# Altium PCB STM32F405.PcbDoc (part 1 of 5) (continued)
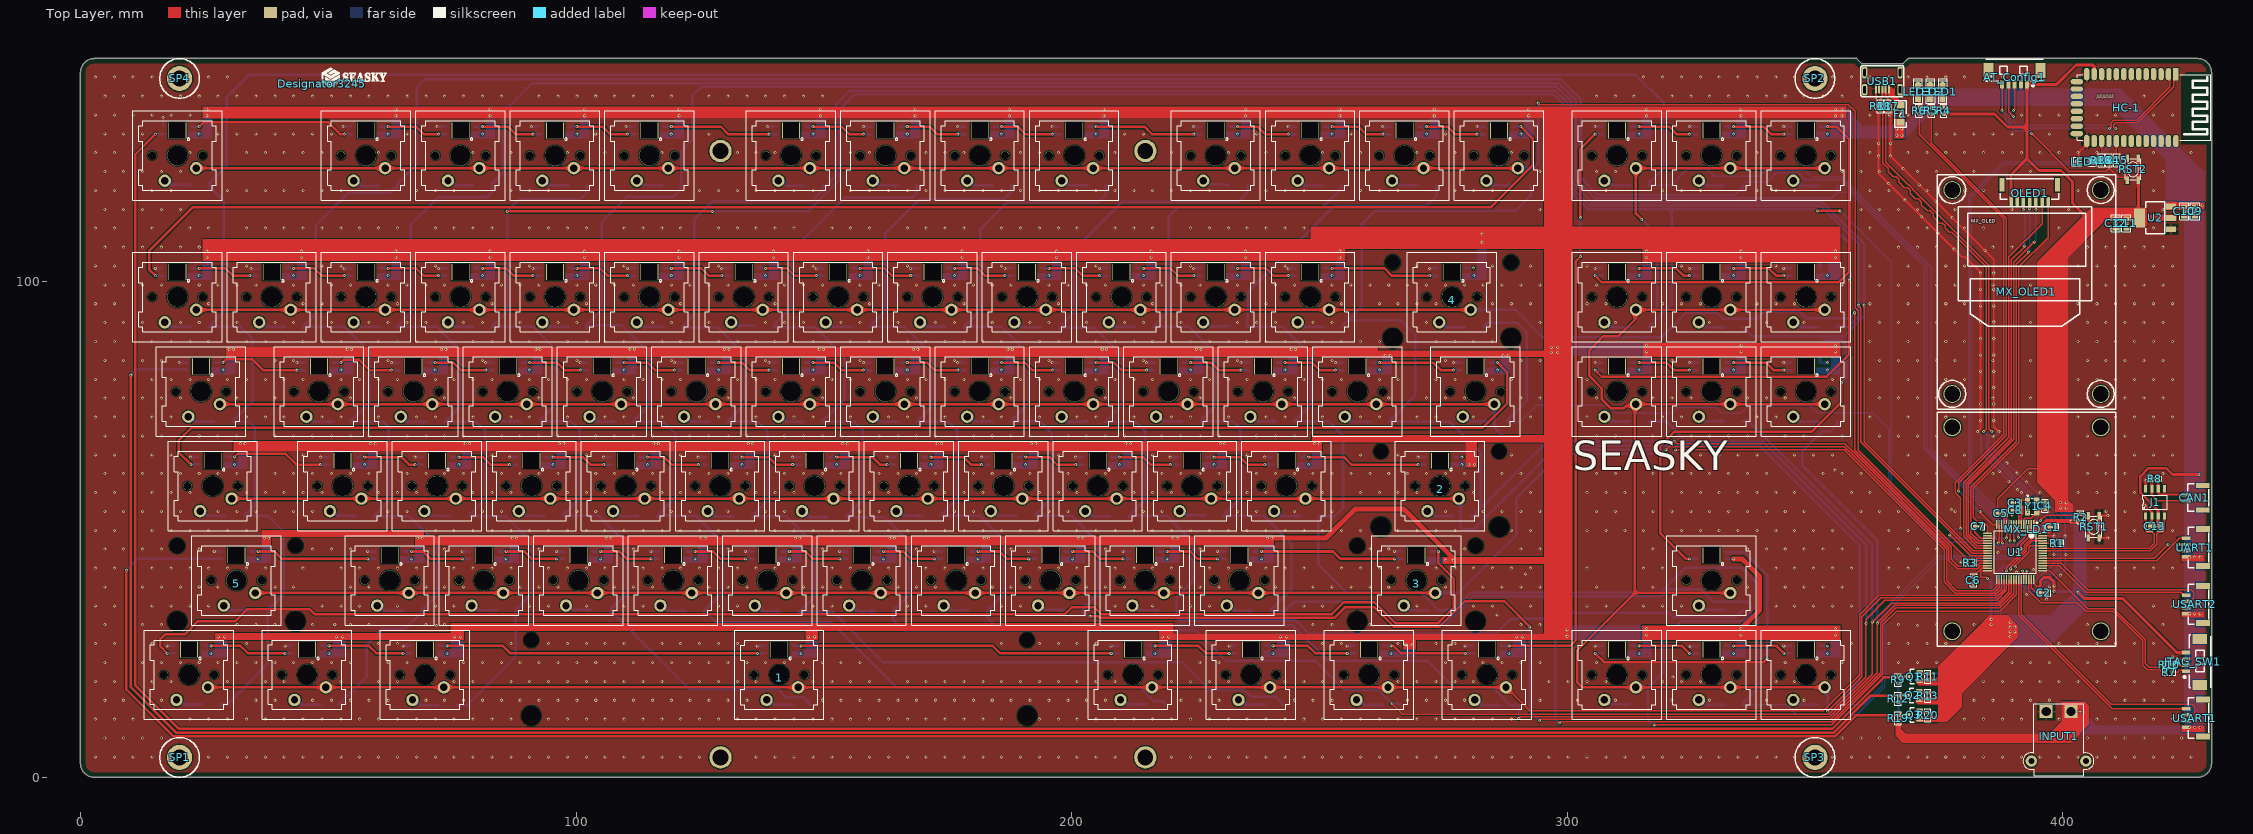
[diagram p0: Top Layer view]
## Components (designator, comment, footprint, x,y, rotation, side; value= is the part's Value field where it differs from the comment) (continued)
UART1 "HDR1x4" GH1.25-立贴-4P 424.931,44.461 r90 top
USART1 "HDR1x4" GH1.25-立贴-4P 424.931,10.073 r90 top
USART2 "HDR1x4" GH1.25-立贴-4P 424.931,32.989 r90 top
USB1 "MF-CON-MICROUSB-RIGHT" MICRO_USB 363.612,143.33 r180 top
Y1 "12MHz" SMD-3225_4P 392.908,55.795 r270 top

## Footprints (in the part's own frame and the unit in brackets; to place one, negate y for a bottom-side part, rotate by r counter-clockwise, add the part's x,y. Pads: shape width x height; smd on the part's side, far side on the other; paste and mask are expansions set on the pad)
1X2 [mil] "stab"
  round 0 hole 120: 0(-470,275) 3(470,275)
  round 0 hole 157: 1(-470,-325) 4(470,-325)
1X6.25 [mil] "stab"
  round 0 hole 120: 0(1970,275) 3(-1970,275)
  round 0 hole 157: 1(1970,-325) 4(-1970,-325)
0603P [mil]
  rect 30x30 smd: 1(-27,0) 2(27.5,-0.06)
  silkscreen extent -50,-20 50,20
"C 0603_L" [mil] "无极性贴片电容                                       淘宝ID:黄晶宝石"
  rect 30x30 smd: 1(-25.59,0) 2(25.59,0)
  silkscreen extent -51,-26 51,26, body extent -31,-16 31,16, height 32
"C 0805_L" [mil] "无极性贴片电容                                        淘宝ID:黄晶宝石"
  rect 35x50 smd: 1(-37.4,0) 2(37.4,0)
  silkscreen extent -67,-36 67,36, body extent -39,-24 39,24, height 20
"FU 1206" [mil] "贴片保险丝"
  rect 50x65 smd: 1(-67.5,0) 2(67.5,0)
  silkscreen extent -105,-45 105,45, body extent -63,-32 63,32, height 34
GH1.25-立贴-2P [mm]
  rect 1x2.8 smd: 0(-1.85,-3.35) 0(3.1,-3.35)
  rect 0.7x1.8 smd: 1(0,0) 2(1.25,0)
  silkscreen extent -2.16,-4.57 3.43,-0.38, body extent -3.19,-4.33 4.46,-0.23, height 4.7
GH1.25-立贴-4P [mm]
  rect 1.2x2.8 smd: 0(-1.85,-3.35) 0(5.6,-3.35)
  rect 0.7x1.8 smd: 1(0,0) 2(1.25,0) 3(2.5,0) 4(3.75,0)
  silkscreen extent -2.16,-4.57 5.97,-0.38, body extent -3.23,-4.08 6.92,0.02, height 4.7
GH1.25-立贴-7P [mm]
  rect 1x2.8 smd: 0(-1.85,-3.35) 0(9.35,-3.35)
  rect 0.7x1.8 smd: 1(0,0) 2(1.25,0) 3(2.5,0) 4(3.75,0) 5(5,0) 6(6.25,0) 7(7.5,0)
  silkscreen extent -2.16,-4.57 9.65,-0.38, body extent -3.2,-4.14 10.7,-0.04, height 4.7
HC-05 [mm] "串口蓝牙模块"
  rect 2.5x1.1 smd: 1(-6.75,6.403)
  oval 2.5x1.1 smd: 2(-6.75,4.903) 3(-6.75,3.403) 4(-6.75,1.903) 5(-6.75,0.403) 6(-6.75,-1.097) 7(-6.75,-2.597) 8(-6.75,-4.097) 9(-6.75,-5.597) 10(-6.75,-7.097) 11(-6.75,-8.597) 12(-6.75,-10.097) 13(-6.75,-11.597) 22(6.75,-11.597) 23(6.75,-10.097) 24(6.75,-8.597) 25(6.75,-7.097) 26(6.75,-5.597) 27(6.75,-4.097) 28(6.75,-2.597) 29(6.75,-1.097) 30(6.75,0.403) 31(6.75,1.903) 32(6.75,3.403) 33(6.75,4.903) 34(6.75,6.403)
  oval 1.1x2.5 smd: 14(-5.25,-13.597) 15(-3.75,-13.597) 16(-2.25,-13.597) 17(-0.75,-13.597) 18(0.75,-13.597) 19(2.25,-13.597) 20(3.75,-13.597) 21(5.25,-13.597)
  silkscreen extent -6.65,-13.49 6.64,13.46, body extent -6.52,-13.37 6.52,13.35, height 2.46
LD3320 [mm]
  round 3.6 hole 3.2 unplated: 0(3.099,3.023) 0(3.099,44.171) 0(33.071,3.023) 0(33.071,44.171)
  silkscreen extent 0.05,-0.03 36.12,47.22, body extent 0.05,-0.02 36.12,48.53, height 10.52
"LED 0805G" [mil] "绿色0805LED                              淘宝ID:黄晶宝石"
  rect 60x50 smd: 1(-50,0)
  oct 60x50 smd: 2(50,0)
  silkscreen extent -90,-35 105,35, body extent -39,-25 39,25, height 26
"LED 0805R" [mil] "红色0805LED                                       淘宝ID:黄晶宝石"
  rect 60x50 smd: 1(-50,0)
  oct 60x50 smd: 2(50,0)
  silkscreen extent -90,-35 105,35, body extent -39,-25 39,25, height 32
LL-34_L3.7-W1.6-RD [mil]
  rect 44x67 smd: 1(73,0) 2(-73,0)
  silkscreen extent -39,-27 41,28, body extent -68,-29 78,34, height 63
LQFP-64_10X10X05P [mm]
  oval 1.796x0.28 smd: 1(-5.55,3.75) 2(-5.55,3.25) 3(-5.55,2.75) 4(-5.55,2.25) 5(-5.55,1.75) 6(-5.55,1.25) 7(-5.55,0.75) 8(-5.55,0.25) 9(-5.55,-0.25) 10(-5.55,-0.75) 11(-5.55,-1.25) 12(-5.55,-1.75) 13(-5.55,-2.25) 14(-5.55,-2.75) 15(-5.55,-3.25) 16(-5.55,-3.75) 33(5.55,-3.75) 34(5.55,-3.25) 35(5.55,-2.75) 36(5.55,-2.25) 37(5.55,-1.75) 38(5.55,-1.25) 39(5.55,-0.75) 40(5.55,-0.25) 41(5.55,0.25) 42(5.55,0.75) 43(5.55,1.25) 44(5.55,1.75) 45(5.55,2.25) 46(5.55,2.75) 47(5.55,3.25) 48(5.55,3.75)
  oval 0.28x1.796 smd: 17(-3.75,-5.55) 18(-3.25,-5.55) 19(-2.75,-5.55) 20(-2.25,-5.55) 21(-1.75,-5.55) 22(-1.25,-5.55) 23(-0.75,-5.55) 24(-0.25,-5.55) 25(0.25,-5.55) 26(0.75,-5.55) 27(1.25,-5.55) 28(1.75,-5.55) 29(2.25,-5.55) 30(2.75,-5.55) 31(3.25,-5.55) 32(3.75,-5.55) 49(3.75,5.55) 50(3.25,5.55) 51(2.75,5.55) 52(2.25,5.55) 53(1.75,5.55) 54(1.25,5.55) 55(0.75,5.55) 56(0.25,5.55) 57(-0.25,5.55) 58(-0.75,5.55) 59(-1.25,5.55) 60(-1.75,5.55) 61(-2.25,5.55) 62(-2.75,5.55) 63(-3.25,5.55) 64(-3.75,5.55)
  silkscreen extent -6.05,-4.25 4.25,4.55, body extent -5.89,-5.89 5.89,5.89, height 1.55
M3x4+6_L [mm] "M3铜柱，长：4mm，螺纹长：6mm"
  round 5.08 hole 3.175: 1(0,0)
  silkscreen extent -4,-4 4,4, body extent -2.7,-2.35 2.7,2.35, height 4.05
MICRO_USB [mm]
  rrect50% 1.05x2.3 hole 0.5 slot 1.5 at 90 deg: 0(-3.575,4.6) 0(-3.575,1.15) 0(3.575,4.6) 0(3.575,1.15)
  round 0.65 hole 0.65 unplated: 0(-2,3.475) 0(2,3.475)
  oct 0.4x1.85 smd: 1(-1.3,4.434) 2(-0.65,4.434) 3(0,4.434) 4(0.65,4.434) 5(1.3,4.434)
  silkscreen extent -4.34,-0.23 4.38,6.01, body extent -3.96,-1.62 4.01,5.08, height 2.79
"MX 1.25-WS-4P" [mm] "长：10.15mm，宽：4.2mm，高：3.4mm"
  rect 2x3 smd: 0(-4.632,0) 0(4.632,0)
  rect 0.8x1.6 smd: 1(-1.889,2.811) 2(-0.639,2.811) 3(0.611,2.811) 4(1.861,2.811)
  silkscreen extent -5.23,-2.23 5.45,3.25, body extent -5.07,-2.1 5.07,3.09, height 3.4
"MX 1.25-WS-5P" [mm] "长：11.4mm，宽：4.2mm，高：3.4mm"
  rect 2x3 smd: 0(-5.257,0) 0(5.257,0)
  rect 0.8x1.6 smd: 1(-2.514,2.811) 2(-1.264,2.811) 3(-0.014,2.811) 4(1.236,2.811) 5(2.486,2.811)
  silkscreen extent -5.86,-2.23 5.83,3.25, body extent -5.7,-2.1 5.7,3.09, height 3.4
MX_BACKSPACE [mm]
  round 2.5 hole 1.5: 1(3.81,-2.54) 2(-2.54,-5.08)
  rect 1.7x0.9 smd far side: 3(2.85,4.33) 4(2.85,5.83) 6(-2.85,4.33)
  oct 1.8x0.9 smd far side: 5(-2.9,5.83)
  round 1.702 hole 1.702: ""(-5.08,0) ""(5.08,0)
  round 4.064 hole 4.064: ""(0,0)
  rect 3.6x3.2 hole 3.2 square: ""(0,5.08)
  silkscreen extent -9.02,-9.02 9.02,9.02, body extent -18.53,-9 18.53,9, height 23.11
MX_CAPSLOCK [mm]
  round 2.5 hole 1.5: 1(3.796,-2.538) 2(-2.554,-5.078)
  rect 1.7x0.9 smd far side: 3(2.836,4.332) 4(2.836,5.832) 6(-2.864,4.332)
  oct 1.8x0.9 smd far side: 5(-2.914,5.832)
  round 1.702 hole 1.702: ""(-5.094,0.002) ""(5.066,0.002)
  round 4.064 hole 4.064: ""(-0.014,0.002)
  rect 3.6x3.2 hole 3.2 square: ""(-0.014,5.082)
  silkscreen extent -9.03,-9.02 9,9.02, body extent -16.14,-9 16.12,9, height 23.11
MX_CTRL(WIN)(ALT) [mm]
  round 2.5 hole 1.5: 1(3.789,-2.526) 2(-2.561,-5.066)
  rect 1.7x0.9 smd far side: 3(2.829,4.344) 4(2.829,5.844) 6(-2.871,4.344)
  oct 1.8x0.9 smd far side: 5(-2.921,5.844)
  round 1.702 hole 1.702: ""(-5.101,0.014) ""(5.059,0.014)
  round 4.064 hole 4.064: ""(-0.021,0.014)
  rect 3.6x3.2 hole 3.2 square: ""(-0.021,5.094)
  silkscreen extent -9.04,-9 9,9.03, body extent -11.38,-8.99 11.34,9.01, height 22.5
MX_OLED_STEP [mm]
  round 3.6 hole 3.2 unplated: 0(0,0) 0(0,41.148) 0(29.972,0) 0(29.972,41.148)
  silkscreen extent -3.05,-3.05 33.02,44.2, body extent -3.05,-3.05 33.02,44.2, height 14.55
MX_SW-7 [mm] "with Fixation pins  1-Pole w/Diode"
  round 2.5 hole 1.5: 1(3.81,-2.54) 2(-2.54,-5.08)
  rect 1.7x0.9 smd far side: 3(2.85,4.33) 4(2.85,5.83) 6(-2.85,4.33)
  oct 1.8x0.9 smd far side: 5(-2.9,5.83)
  round 1.702 hole 1.702: ""(-5.08,0) ""(5.08,0)
  round 4.064 hole 4.064: ""(0,0)
  rect 3.6x3.2 hole 3.2 square: ""(0,5.08)
  silkscreen extent -9.02,-9.02 9.02,9.02, body extent -9,-9 9,9, height 22.5
MX_TAB [mm]
  round 2.5 hole 1.5: 1(3.81,-2.54) 2(-2.54,-5.08)
  rect 1.7x0.9 smd far side: 3(2.85,4.33) 4(2.85,5.83) 6(-2.85,4.33)
  oct 1.8x0.9 smd far side: 5(-2.9,5.83)
  round 1.702 hole 1.702: ""(-5.08,0) ""(5.08,0)
  round 4.064 hole 4.064: ""(0,0)
  rect 3.6x3.2 hole 3.2 square: ""(0,5.08)
  silkscreen extent -9.02,-9.02 9.02,9.02, body extent -13.76,-9 13.76,9, height 23.11
MX_右SHIFT [mm]
  round 2.5 hole 1.5: 1(3.81,-2.54) 2(-2.54,-5.08)
  rect 1.7x0.9 smd far side: 3(2.85,4.33) 4(2.85,5.83) 6(-2.85,4.33)
  oct 1.8x0.9 smd far side: 5(-2.9,5.83)
  round 1.702 hole 1.702: ""(-5.08,0) ""(5.08,0)
  round 4.064 hole 4.064: ""(0,0)
  rect 3.6x3.2 hole 3.2 square: ""(0,5.08)
  silkscreen extent -9.02,-9.02 9.02,9.02, body extent -25.67,-9 25.67,9, height 23.11
MX_左SHIFT(ENTER) [mm]
  round 2.5 hole 1.5: 1(3.81,-2.54) 2(-2.54,-5.08)
  rect 1.7x0.9 smd far side: 3(2.85,4.33) 4(2.85,5.83) 6(-2.85,4.33)
  oct 1.8x0.9 smd far side: 5(-2.9,5.83)
  round 1.702 hole 1.702: ""(-5.08,0) ""(5.08,0)
  round 4.064 hole 4.064: ""(0,0)
  rect 3.6x3.2 hole 3.2 square: ""(0,5.08)
  silkscreen extent -9.02,-9.02 9.02,9.02, body extent -20.91,-9 20.91,9, height 23.11
MX_空格 [mm]
  round 2.5 hole 1.5: 1(3.81,-2.54) 2(-2.54,-5.08)
  rect 1.7x0.9 smd far side: 3(2.85,4.33) 4(2.85,5.83) 6(-2.85,4.33)
  oct 1.8x0.9 smd far side: 5(-2.9,5.83)
  round 1.702 hole 1.702: ""(-5.08,0) ""(5.08,0)
  round 4.064 hole 4.064: ""(0,0)
  rect 3.6x3.2 hole 3.2 square: ""(0,5.08)
  silkscreen extent -9.02,-9.02 9.02,9.02, body extent -59,-9 59,9, height 23.11
"R 0603_L" [mil] "1/10W贴片电阻                 淘宝ID:黄晶宝石"
  rect 30x30 smd: 1(-25.59,0) 2(25.59,0)
  silkscreen extent -51,-26 51,26, body extent -31,-16 32,16, height 16
SEASKY1 [mm]
  silkscreen extent 0,-0.58 13.16,3.2
SMD-3.2*4.2 [mm]
  rect 1.5x0.7 smd: 1(-2.25,1.125) 1(2.25,1.125) 2(-2.25,-1.125) 2(2.25,-1.125)
  silkscreen extent -2.1,-1.6 2.1,1.6, body extent -2.73,-1.6 2.47,1.58, height 1.8
SMD-3225_4P [mm]
  rect 1.3x1.05 smd: 1(0,0) 2(2.3,0) 3(2.3,1.85) 4(0,1.85)
  silkscreen extent -1.14,-0.33 2.74,2.17, body extent -0.46,-0.36 2.74,2.14, height 0.7
SOIC-8_150MIL [mm]
  rect 1.473x0.65 smd: 1(0,0) 2(0,-1.27) 3(0,-2.54) 4(0,-3.81) 5(5.5,-3.81) 6(5.5,-2.54) 7(5.5,-1.27) 8(5.5,0)
  silkscreen extent 1.35,-4.34 4.2,0.58, body extent -0.3,-4.34 5.7,0.56, height 1.7
SOT-23-3_L2.9-W1.3-P1.90-LS2.4-BR [mm]
  rect 1.25x0.7 smd: 1(1.25,-0.95) 2(1.25,0.95) 3(-1.25,0)
  silkscreen extent -0.65,-1.46 0.9,1.46, body extent -0.97,-1.5 1.43,1.5, height 1.05
SOT-223 [mm]
  rect 2x1.2 smd: 1(3.175,-2.3) 2(3.175,0) 3(3.175,2.3)
  rect 2.3x3.8 smd: 4(-3.175,0)
  silkscreen extent -1.87,-3.2 1.93,3.2, body extent -3.3,-3.3 3.66,3.2, height 1.66
XT30PW-M [mm]
  round 2.3 hole 1.2: 0(-5.5,-5) 0(5.5,-5)
  rect 2.6x2.6 hole 1.9: 1(-2.5,5) 2(2.5,5)
  silkscreen extent -7.18,-7.95 7.14,6.52, body extent -6.67,-7.95 6.63,6, height 5

## Part data
AT_Config1: library part "Header 5", "5P接插件"
C1 C2 C3 C4 C5 C6 C7 C8 C9 C10 C11 C12 C13: library part C, "贴片电容"
CAN1 OLED1 UART1 USART1 USART2: "Connector"
F1: library part FU, "贴片保险丝"
HC-1: library part HC-05, "串口蓝牙模块"
J1: "CANоƬ"
JTAG_SW1: library part "Header 4", "4P接插件"
LED1 LED2 LED3 LED4: library part LED-SMD, "贴片LED"
R1 R2 R3 R4 R5 R6 R7 R9 R10 R11 R12 R13 R14 R15 R16 R17 R18 R19 R20: library part R, "贴片电阻"
R8: library part RES, "Resistance"
RST1 RST2: library part KEY_M
SP1 SP2 SP3 SP4: library part 铜柱加头小焊盘, "铜柱"
SW1 SW2 SW3 SW4 SW5 SW6 SW7 SW8 SW9 SW10 SW11 SW12 SW13 SW14 SW15 SW16 SW17 SW18 SW19 SW20 SW21 SW22 SW23 SW24 SW25 SW26 SW27 SW28 SW29 SW30 SW31 SW32 SW33 SW34 SW35 SW36 SW37 SW38 SW39 SW40 SW41 SW42 SW43 SW44 SW45 SW46 SW47 SW48 SW49 SW50 SW51 SW52 SW53 SW54 SW55 SW56 SW57 SW58 SW59 SW60 SW61 SW62 SW63 SW64 SW65 SW66 SW67 SW68 SW69 SW70 SW71 SW72 SW73 SW74 SW75 SW76 SW77 SW78 SW79 SW80 SW81 SW82 SW83 SW84 SW85 SW86 SW87: library part MX_SW-7, "with Fixation pins  1-Pole w/Diode"
USB1: library part USB_MICRO_RIGHT, "Library:  MF_Connectors Description: 5 Pin USB Connectors. SLD is the shield connection. Usually tied to ground through a small ferrite bead.", 5V=5V, D+=D+, D-=D-, GND=GND, ID=ID, SHIELD=SHIELD, USBPORT="USB PORT"
Y1: library part XTAL_3225, "3225贴片无源晶振"

## Free pads (board coordinates)
  round 4.5 hole 3.175: ""(129.159,4) ""(129.159,126.365) ""(214.884,4) ""(214.884,126.365)

## Via types
v1: diameter 0.61, hole 0.305, Top Layer to Bottom Layer, tented both sides, 2611 vias

## Nets (pads, with @x,y where several pads share a name; then routed paths per layer and width w, separated by ;. In a path a pad name is that pad's centre, name@x,y a point inside that pad or via, vN(x,y) a via of type N, cw(c..) or ccw(c..) an arc to the next point about the centre after c; other vN are vias at no path point)
BUTTON_AD(PA3): OLED1.1 U1.17 | length 75.1
  Top Layer w0.254: U1.17@384.848,49.194 384.848,50.631 383.79,51.689 382.721,51.689 381.959,52.451 381.959,58.315 391.16,67.517 391.16,102.997 397.069,108.906 OLED1.1@397.069,116.205
CAN2_RX(PB5): J1.4 U1.57 | length 30.3
  Top Layer w0.254: U1.57@395.948,45.694 417.677,45.694 418.948,46.965 418.948,48.997 419.354,49.403 419.936,49.403 420.502,49.969 420.502,52.694 J1.4@420.525,52.717
CAN2_TX(PB6): J1.1 U1.58 | length 29.7
  Top Layer w0.254: U1.58@395.948,46.194 395.952,46.19 417.411,46.19 418.465,47.244 418.465,49.022 418.084,49.403 417.195,49.403 416.715,49.883 J1.1@416.715,52.717
CAN_H: CAN1.1 J1.7 R8.2 | length 10.7
  Top Layer w0.381: R8.2@417.894,60.2 417.939,60.154 417.939,58.263 J1.7@417.985,58.217 417.985,56.917 418.063,56.917 419.194,55.786 CAN1.1@424.891,55.786
CAN_L: CAN1.2 J1.6 R8.1 | length 8.6
  Top Layer w0.381: R8.1@419.278,60.198 419.267,60.187 419.267,58.228 J1.6@419.255,58.217 419.255,57.404 419.623,57.036 CAN1.2@424.891,57.036
DIN1_1: SW13.4 SW14.6 | length 303.8
  Top Layer w0.508: v1(15.139,101.199) 13.843,102.495 13.843,106.172 22.733,115.062 284.666,115.062 293.033,123.428 293.033,128.901 v1(290.659,131.275)
  Bottom Layer w0.508: v1(15.139,101.199) SW14.6@16.699,101.199 ; SW13.4@289.099,131.275 v1(290.659,131.275)
DIN2_1: SW41.4 SW42.6 | length 289.2
  Top Layer w0.508: v1(22.261,63.128) 19.812,65.577 19.812,67.945 22.352,70.485 282.953,70.485 287.9,75.433 287.9,81.646 v1(285.897,83.649)
  Bottom Layer w0.508: v1(22.261,63.128) SW42.6@23.822,63.128 ; SW41.4@284.337,83.649 v1(285.897,83.649)
DIN3_1: SW66.4 SW67.6 | length 288.2
  Top Layer w0.508: v1(17.499,25.013) 16.129,26.383 16.129,27.89 17.068,28.829 21.082,28.829 23.749,31.496 31.242,31.496 33.687,33.941 46.196,33.941 47.23,32.907 198.642,32.907 200.025,34.29 204.597,34.29 205.98,32.907 252.49,32.907 254.889,35.306 261.112,35.306 265.303,31.115 273.976,31.115 277.114,34.253 277.114,40.085 273.99,43.208 v1(273.99,45.549)
  Bottom Layer w0.508: v1(17.499,25.013) SW67.6@19.059,25.013 ; SW66.4@272.43,45.549 v1(273.99,45.549)
DIN3_2: SW74.4 SW75.6 | length 120.8
  Top Layer w0.508: v1(288.257,26.513) 300.627,26.513 301.752,27.639 301.752,104.14 v1(302.641,105.029) ; v1(302.641,112.903) 302.641,126.764 v1(305.652,129.775)
  Bottom Layer w0.508: SW74.4@286.697,26.513 v1(288.257,26.513) ; v1(302.641,105.029) v1(302.641,112.903) ; v1(305.652,129.775) SW75.6@307.212,129.775
DIN_3V3_1(PB7): Q1.2 R11.2 U1.59 | length 45.2
  Top Layer w0.254: v1(390.43,42.418) 390.43,42.691 393.167,45.428 393.167,46.282 393.578,46.694 U1.59@395.948,46.694
  Top Layer w0.508: Q1.2@371.157,21.27 371.432,21.27 371.796,20.906 R11.2@372.757,20.906 374.066,20.906 v1(374.11,20.95)
  Bottom Layer w0.254: v1(374.11,20.95) 380.995,20.95 386.512,26.467 386.512,41.164 388.147,42.799 389.953,42.799 390.334,42.418 v1(390.43,42.418)
DIN_3V3_2(PB8): Q2.2 R13.2 U1.61 | length 47.4
  Top Layer w0.254: v1(389.509,42.037) 389.509,42.453 392.684,45.628 392.684,46.482 393.895,47.693 U1.61@395.948,47.693
  Top Layer w0.508: Q2.2@371.03,17.46 371.305,17.46 371.669,17.096 R13.2@372.757,17.096 374.064,17.096 v1(374.069,17.091)
  Bottom Layer w0.254: v1(374.069,17.091) 377.978,17.091 386.994,26.108 386.994,40.964 388.346,42.316 389.133,42.316 389.413,42.037 v1(389.509,42.037)
DIN_3V3_3(PB9): Q3.2 R20.2 U1.62 | length 48.9
  Top Layer w0.254: v1(388.62,41.656) 388.62,42.246 392.201,45.827 392.201,46.682 393.713,48.194 U1.62@395.948,48.194
  Top Layer w0.508: Q3.2@371.157,13.523 371.432,13.523 371.796,13.159 R20.2@372.757,13.159 372.786,13.189 373.742,13.189 v1(373.761,13.208)
  Bottom Layer w0.254: v1(373.761,13.208) 374.777,13.208 387.477,25.908 387.477,40.513 v1(388.62,41.656)
DIN_5V0_1: Q1.3 R9.2 SW1.6 | length 480.1
  Top Layer w0.508: v1(15.139,129.775) 11.076,125.712 11.076,18.515 19.837,9.754 353.497,9.754 363.887,20.144 366.661,20.144 R9.2@366.788,20.271 366.812,20.296 368.633,20.296 Q1.3@368.657,20.32
  Bottom Layer w0.508: v1(15.139,129.775) SW1.6@16.699,129.775
DIN_5V0_2: Q2.3 R12.2 SW28.6 | length 440.1
  Top Layer w0.508: v1(10.16,81.153) 10.16,80.645 10.16,18.161 19.304,9.017 353.802,9.017 361.246,16.461 R12.2@366.788,16.461 366.812,16.486 368.506,16.486 Q2.3@368.53,16.51
  Bottom Layer w0.508: v1(10.16,81.153) 11.303,82.296 21.315,82.296 SW28.6@21.462,82.149
DIN_5V0_3: Q3.3 R19.2 SW55.6 | length 409.4
  Top Layer w0.508: v1(9.271,41.783) 9.271,17.653 18.644,8.28 354.107,8.28 358.35,12.524 R19.2@366.788,12.524 366.812,12.549 368.633,12.549 Q3.3@368.657,12.573
  Bottom Layer w0.508: v1(9.271,41.783) 11.537,44.049 SW55.6@28.605,44.049
HC_KEY: AT_Config1.5 R14.1 RST2.2 | length 43
  Top Layer w0.254: v1(387.731,134.493) 387.785,134.547 AT_Config1.5@387.785,139.81 ; v1(393.7,129.921) 401.32,122.301 408.775,122.301 409.366,122.891 ; R14.1@409.366,123.81 409.366,122.891 ; RST2.2@413.022,120.432 RST2.2@413.022,120.832 ; RST2.2@413.022,124.932 RST2.2@413.022,120.832 ; 409.366,122.891 411.202,121.055 412.799,121.055 RST2.2@413.022,120.832
  Bottom Layer w0.254: v1(387.731,134.493) 388.493,133.731 388.493,132.287 390.325,130.454 393.167,130.454 v1(393.7,129.921)
HC_RX: AT_Config1.3 HC-1.2 U1.14 | length 165.8
  Top Layer w0.254: U1.14@387.648,50.993 387.653,50.989 387.653,47.513 v1(387.858,47.307) ; v1(390.017,134.495) 390.285,134.762 AT_Config1.3@390.285,139.81 ; v1(409.448,130.937) 409.575,130.937 409.829,131.191 409.829,132.08 410.337,132.588 414.909,132.588 421.64,139.319 421.64,141.574 HC-1.2@421.336,141.878
  Bottom Layer w0.254: v1(387.858,47.307) 388.201,46.965 390.586,46.965 391.693,48.072 391.693,48.695 381,59.389 381,117.094 388.087,124.181 406.121,124.181 409.829,127.889 409.829,130.46 409.448,130.841 v1(409.448,130.937) 390.525,130.937 389.255,132.207 389.255,133.733 v1(390.017,134.495)
HC_TX: AT_Config1.4 HC-1.1 U1.15 | length 168.2
  Top Layer w0.254: v1(386.969,47.244) 387.148,47.423 U1.15@387.148,50.993 ; AT_Config1.4@389.035,139.81 389.128,139.717 389.128,134.239 v1(390.017,133.35) ; v1(410.718,130.937) 410.591,130.937 410.337,131.191 410.337,131.674 410.743,132.08 415.163,132.08 422.402,139.319 422.402,141.444 HC-1.1@422.836,141.878
  Bottom Layer w0.254: v1(386.969,47.244) 387.731,46.482 390.785,46.482 392.176,47.873 392.176,48.895 381.508,59.563 381.508,68.117 381.508,116.919 388.286,123.698 406.32,123.698 410.312,127.689 410.312,130.434 410.718,130.841 v1(410.718,130.937) 410.058,131.597 390.754,131.597 390.017,132.334 v1(390.017,133.35)
KEY_POS1: D*1.2 D*14.2 D*28.2 D*42.2 D*55.2 D*67.2 D*75.2 U1.8 | length 597.1
  Top Layer w0.254: U1.8@390.648,50.993 390.648,49.661 391.033,49.276 v1(391.033,48.346)
  Bottom Layer w0.254: D*75.2@316.391,119.465 320.992,119.465 324.231,122.704 328.4,122.704 329.805,121.299 338.85,121.299 340.004,122.453 347.992,122.453 349.41,121.036 355.436,121.036 373.431,103.041 373.431,66.243 389.423,50.251 389.423,50.231 389.706,49.948 389.706,49.886 391.033,48.559 v1(391.033,48.346)
  Bottom Layer w0.508: D*67.2@28.257,14.673 28.323,14.739 29.725,14.739 37.778,22.792 D*55.2@37.778,33.669 41.021,36.912 41.021,49.53 37.836,52.715 D*42.2@33.024,52.715 35.179,54.871 35.179,70.612 34.033,71.758 D*28.2@30.663,71.758 34.798,75.893 34.798,88.392 32.313,90.877 D*14.2@25.909,90.877 28.956,93.923 28.956,116.268 D*1.2@25.835,119.389 25.835,119.681 29.464,123.31 29.464,137.16 34.036,141.732 313.817,141.732 319.532,136.017 319.532,122.898 316.391,119.757 D*75.2@316.391,119.465
KEY_POS2: D*2.2 D*15.2 D*29.2 D*43.2 D*56.2 D*68.2 D*76.2 U1.9 | length 581.4
  Top Layer w0.254: U1.9@390.148,50.993 390.148,47.748 v1(390.271,47.625)
  Bottom Layer w0.254: D*76.2@335.444,119.376 335.444,119.668 335.876,120.1 340.332,120.1 342.203,121.97 346.66,121.97 348.077,120.553 355.237,120.553 372.582,103.208 372.582,66.41 388.941,50.051 388.941,50.031 389.223,49.748 389.223,49.609 390.21,48.623 390.21,48.612 390.271,48.55 v1(390.271,47.625)
  Bottom Layer w0.508: D*68.2@52.056,14.64 57.785,20.369 57.785,26.797 60.96,29.972 65.518,29.972 68.821,33.275 D*56.2@68.821,33.567 72.136,36.883 72.136,46.863 66.294,52.705 59.497,52.705 59.228,52.437 D*43.2@59.228,52.729 62.23,55.73 62.23,70.612 61.067,71.775 D*29.2@54.496,71.775 58.293,75.571 58.293,85.852 53.276,90.869 45.242,90.869 44.937,90.565 D*15.2@44.937,90.857 47.498,93.418 47.498,111.379 54.102,117.983 62.481,117.983 63.356,118.859 63.649,118.859 63.953,119.163 D*2.2@63.953,119.455 63.953,119.748 67.818,123.612 67.818,139.192 69.469,140.843 298.704,140.843 302.768,136.779 302.768,120.904 306.146,117.526 333.886,117.526 335.444,119.084 D*76.2@335.444,119.376
KEY_POS3: D*3.2 D*16.2 D*30.2 D*44.2 D*57.2 D*69.2 D*77.2 U1.10 | length 554.7
  Top Layer w0.254: v1(389.382,47.625) 389.382,49.194 389.648,49.46 U1.10@389.648,50.993
  Bottom Layer w0.254: D*77.2@354.493,119.346 354.493,118.022 357.085,118.022 372.037,103.07 372.037,66.253 388.741,49.548 388.741,49.409 389.382,48.768 v1(389.382,47.625)
  Bottom Layer w0.508: D*69.2@75.935,14.551 78.051,14.551 87.805,24.305 D*57.2@87.805,33.739 91.059,36.993 91.059,47.371 85.725,52.705 D*44.2@78.566,52.705 ; D*44.2@78.287,52.719 81.661,56.092 81.661,69.977 79.956,71.682 D*30.2@73.556,71.682 76.581,74.707 76.581,86.233 71.945,90.869 64.337,90.869 64.066,90.598 D*16.2@64.066,90.89 64.066,91.182 66.675,93.791 66.675,111.506 72.222,117.053 82.001,117.053 83.017,118.069 D*3.2@83.017,119.439 83.017,119.731 85.217,121.931 85.217,134.112 91.135,140.03 298.374,140.03 301.752,136.652 301.752,120.65 305.613,116.789 353.26,116.789 354.493,118.022 354.584,118.113 354.584,119.255 D*77.2@354.493,119.346
KEY_POS4: D*4.2 D*17.2 D*31.2 D*45.2 D*58.2 D*70.2 D*78.2 U1.11 | length 603.9
  Top Layer w0.254: v1(388.674,48.26) 388.674,49.383 389.148,49.858 U1.11@389.148,50.993
  Top Layer w0.508: v1(86.106,114.173) v1(127.508,114.173) ; v1(350.52,114.3) v1(355.092,114.3)
  Bottom Layer w0.254: v1(355.092,114.3) 365.354,104.038 365.354,57.429 374.548,48.235 388.648,48.235 v1(388.674,48.26)
  Bottom Layer w0.508: D*4.2@102.09,119.403 102.09,117.838 100.838,116.586 88.519,116.586 v1(86.106,114.173) 86.106,94.021 D*17.2@82.968,90.883 91.362,90.883 95.885,86.36 95.885,75.18 D*31.2@92.542,71.837 98.978,71.837 100.711,70.104 100.711,56.136 D*45.2@97.3,52.725 104.628,52.725 110.363,46.99 110.363,37.216 D*58.2@106.899,33.752 106.899,33.46 107.204,33.155 107.496,33.155 122.871,17.78 140.716,17.78 142.367,16.129 145.847,16.129 D*70.2@147.372,14.604 ; v1(127.508,114.173) 146.812,114.173 153.137,120.498 153.137,134.722 156.21,137.795 297.307,137.795 299.339,135.763 299.339,119.583 304.342,114.579 321.081,114.579 ; D*78.2@316.461,90.787 321.081,95.408 321.081,114.579 ; v1(350.52,114.3) 350.241,114.579 321.081,114.579
KEY_POS5: D*5.2 D*18.2 D*32.2 D*46.2 D*59.2 D*71.2 D*79.2 U1.24 | length 614.5
  Top Layer w0.254: v1(359.918,95.25) 359.918,67.72 381.94,45.698 384.844,45.698 U1.24@384.848,45.694
  Bottom Layer w0.508: D*71.2@218.784,14.706 218.784,14.998 218.479,15.303 216.609,15.303 213.743,18.169 164.584,18.169 151.511,31.242 128.27,31.242 126.479,33.033 126.187,33.033 125.882,33.338 D*59.2@125.882,33.63 129.667,37.414 129.667,47.244 124.142,52.769 116.752,52.769 116.389,52.407 D*46.2@116.389,52.699 120.015,56.325 120.015,69.342 117.579,71.778 D*32.2@111.543,71.778 114.808,75.043 114.808,85.598 109.22,91.186 102.693,91.186 102.085,90.578 D*18.2@102.085,90.87 102.085,91.162 105.156,94.233 105.156,112.014 110.236,117.094 119.761,117.094 121.109,118.442 D*5.2@121.109,119.432 121.212,119.536 121.212,126.292 123.444,128.524 123.444,137.541 125.197,139.294 297.892,139.294 300.838,136.348 300.838,120.167 304.952,116.053 351.434,116.053 359.918,107.569 v1(359.918,95.25) 359.918,93.031 355.914,89.027 337.214,89.027 D*79.2@335.474,90.768